# KiCad board BaeRNG_V1.kicad_pcb
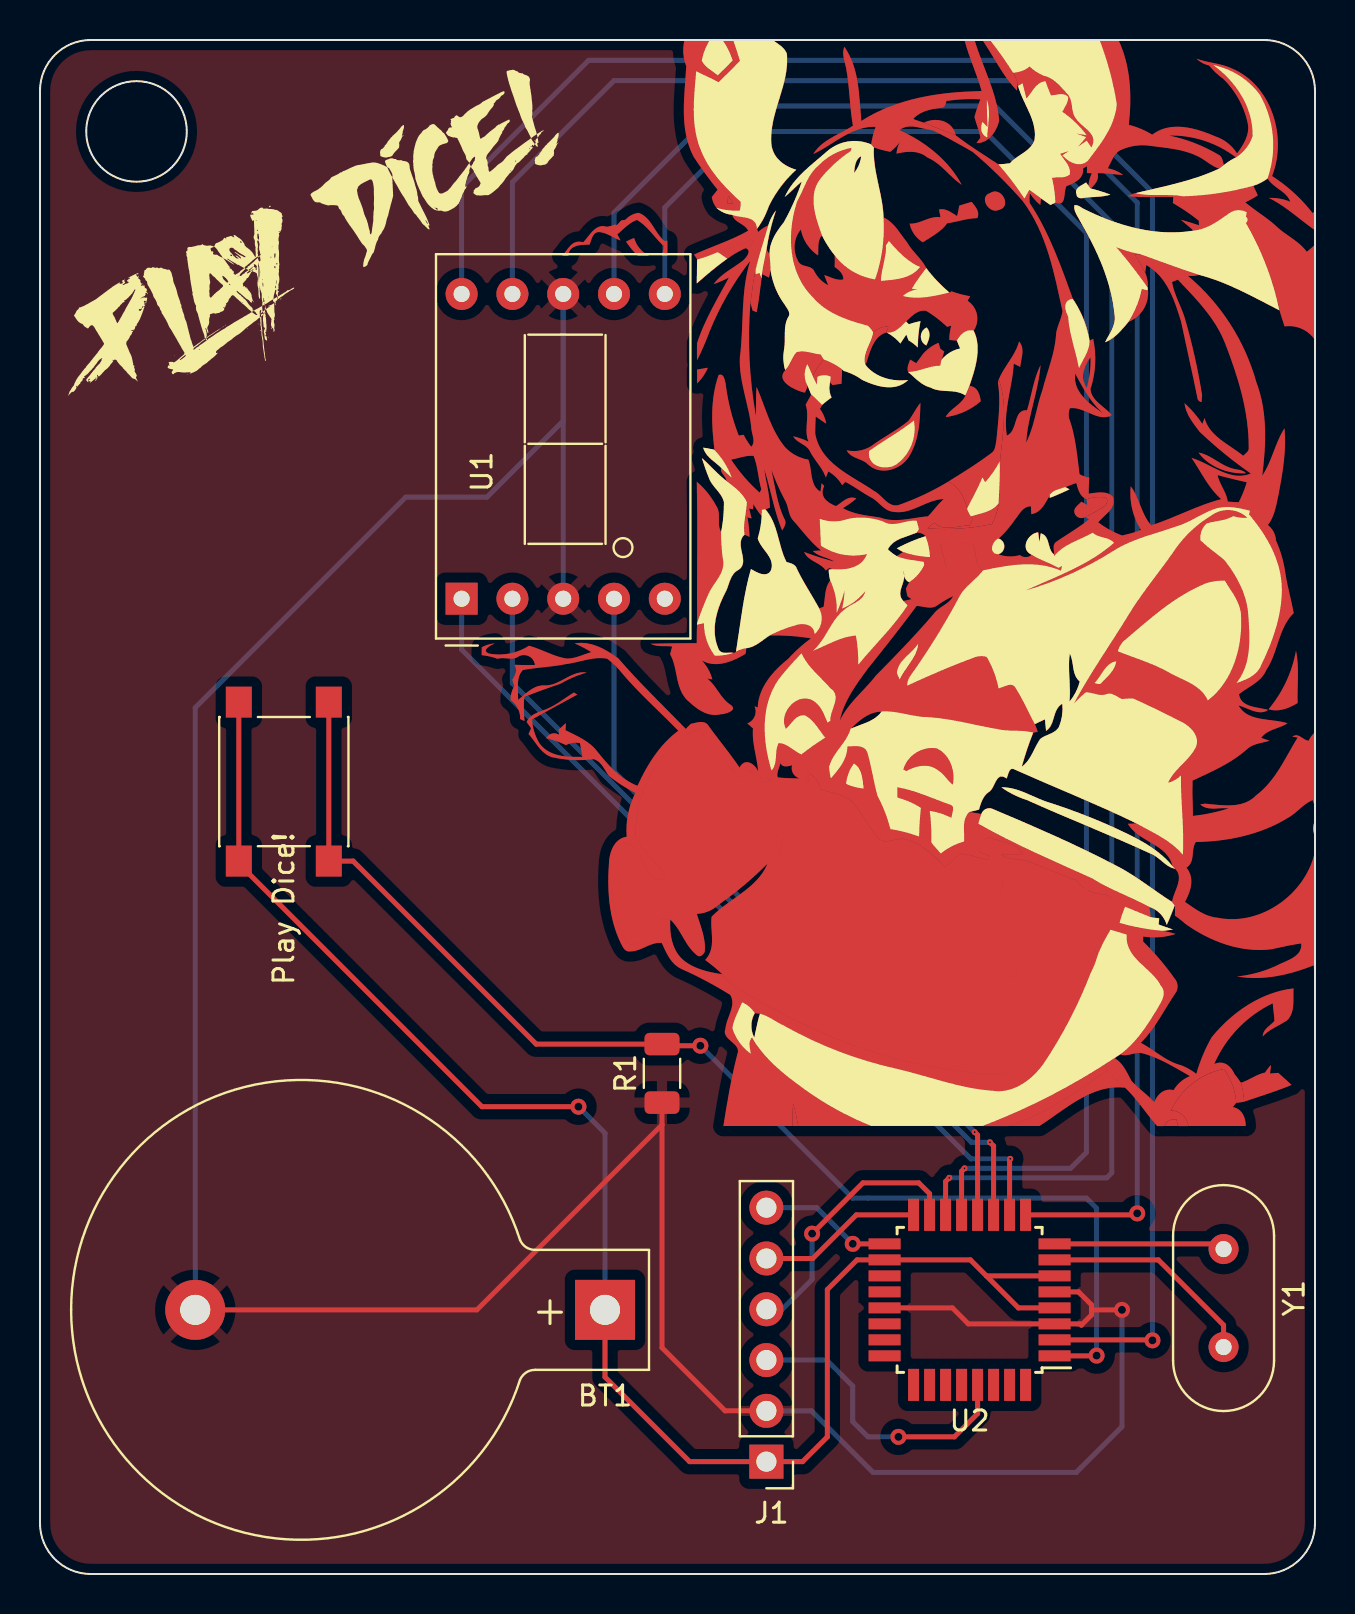
[diagram p0: board, top side]
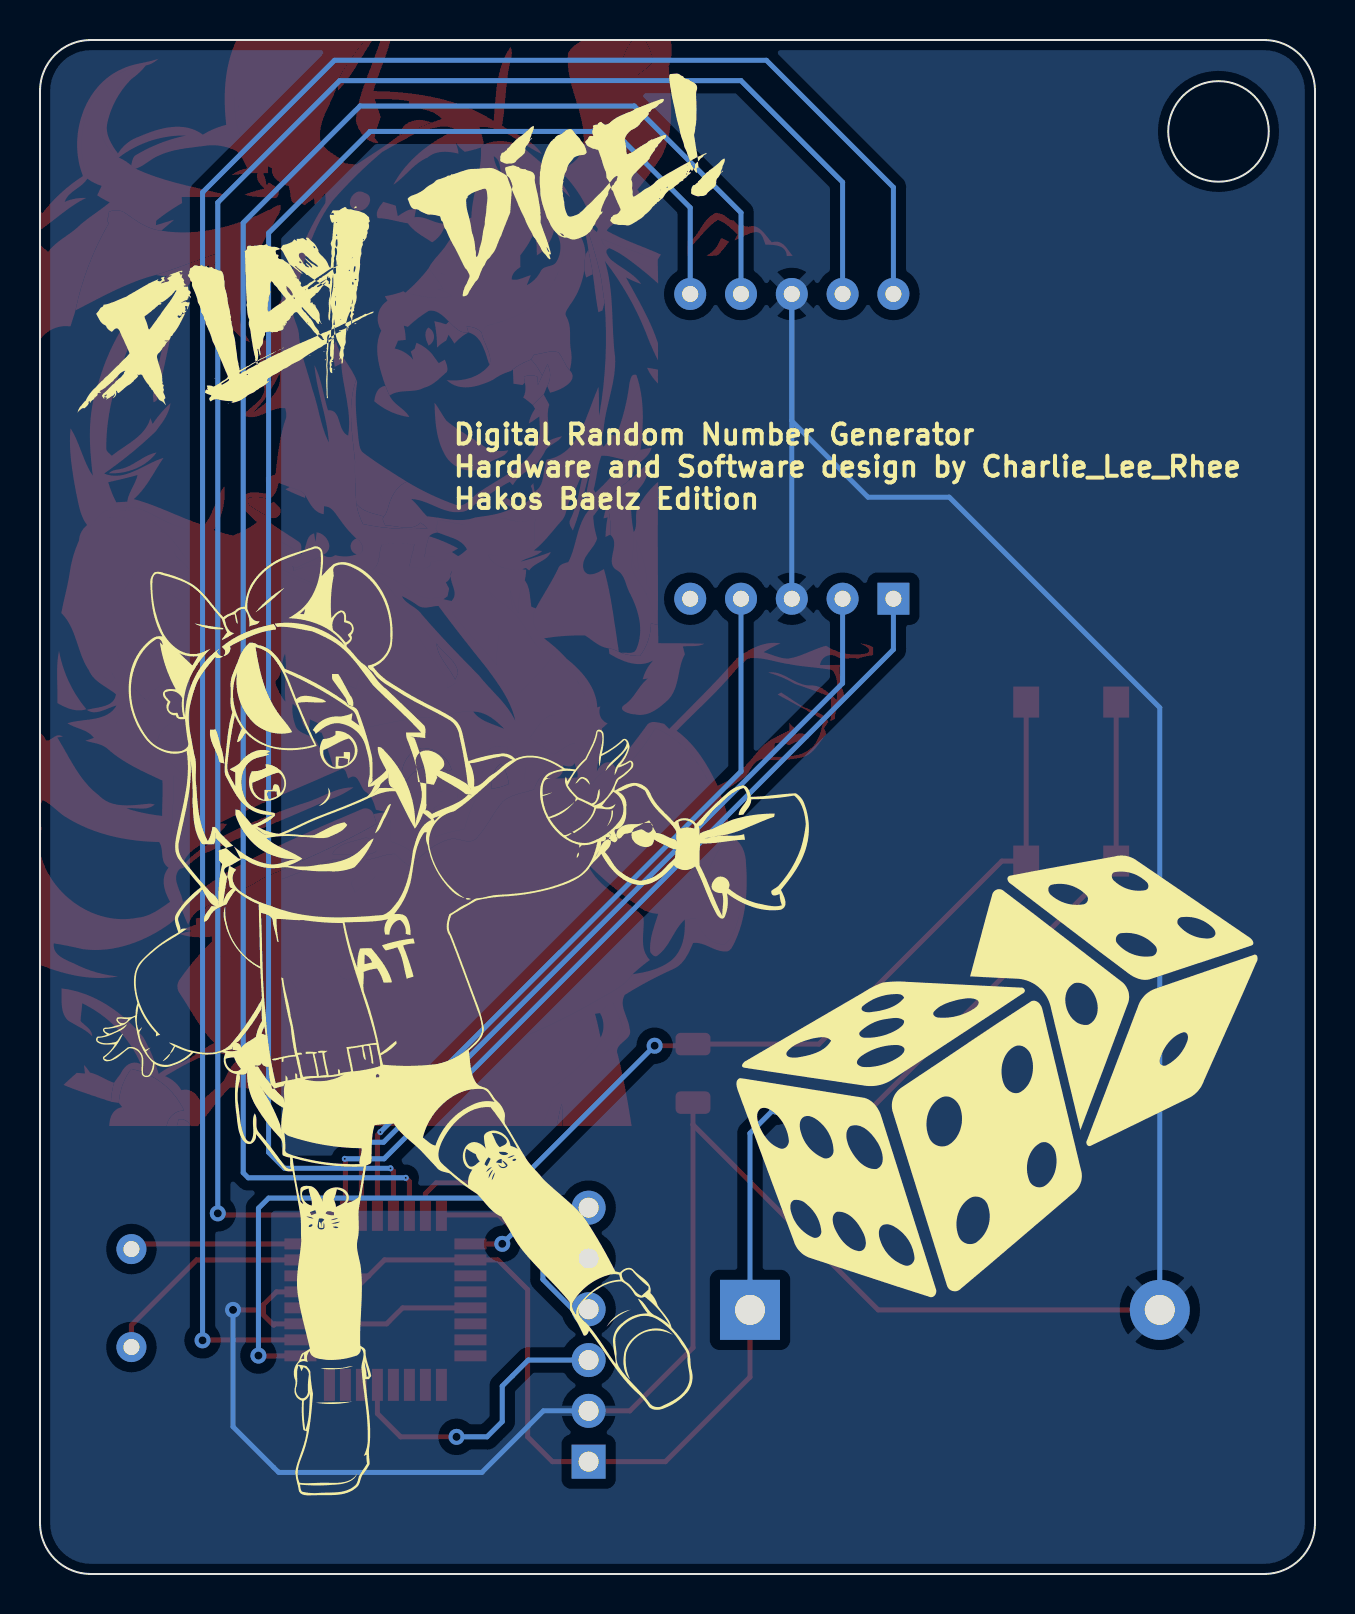
[diagram p1: board, bottom side, seen from below]

Outline 63.75 x 76.71 mm; copper layers: Top, Bottom. Coordinates in mm from the lower left corner of the outline.
Outline path: circle c4.83,72.14 r2.51 ; 0,74.17 arc(0.74,75.96) 2.54,76.71 61.21,76.71 arc(63.01,75.96) 63.75,74.17 63.75,2.54 arc(63.01,0.74) 61.21,0 2.54,0 arc(0.74,0.74) 0,2.54 0,74.17
Stack: Top 0.035mm / dielectric 1.51mm FR4 er 4.5 / Bottom 0.035mm

## Placement (name value [footprint] x y rotation side)
BT1  Battery_Cell  [BatteryHolder_Keystone_103_1x20mm]  28.25 13.21 180 top
J1  Screw_Terminal_01x06  [PinHeader_1x06_P2.54mm_Vertical]  36.32 5.62 180 top
Play Dice!  SW_DIP_x01  [SW_Push_1P1T_NO_6x6mm_H9.5mm]  12.19 39.62 270 top
R1  10k  [R_1206_3216Metric]  31.1 25.04 90 top
U1  D168K  [D1X8K]  21.08 48.77 90 top
U2  ATmega328P-A  [TQFP-32_7x7mm_P0.8mm]  46.48 13.71 180 top
Y1  Crystal  [Crystal_HC18-U_Vertical]  59.18 16.25 270 top

## Footprints (pads in the part's own frame, mm; a bottom-side part is the same pattern mirrored in y, then rotated)
BatteryHolder_Keystone_103_1x20mm
  rect 3x3 hole 1.5: 1(0,0)
  round 3 hole 1.5: 2(20.49,0)
Crystal_HC18-U_Vertical
  round 1.5 hole 0.8: 1(0,0) 2(4.9,0)
D1X8K
  rect 1.6x1.6 hole 0.8: 1(0,0)
  round 1.6 hole 0.8: 2(0,-2.54) 3(0,-5.08) 4(0,-7.62) 5(0,-10.16) 6(15.24,-10.16) 7(15.24,-7.62) 8(15.24,-5.08) 9(15.24,-2.54) 10(15.24,0)
PinHeader_1x06_P2.54mm_Vertical
  rect 1.7x1.7 hole 1: 1(0,0)
  oval 1.7x1.7 hole 1: 2(0,-2.54) 3(0,-5.08) 4(0,-7.62) 5(0,-10.16) 6(0,-12.7)
R_1206_3216Metric
  rrect 1.125x1.75 smd: 1(-1.462,0) 2(1.462,0)
SW_Push_1P1T_NO_6x6mm_H9.5mm
  rect 1.55x1.3 smd: 1(-3.975,2.25) 1(3.975,2.25) 2(-3.975,-2.25) 2(3.975,-2.25)
TQFP-32_7x7mm_P0.8mm
  rect 1.6x0.55 smd: 1(-4.25,2.8) 2(-4.25,2) 3(-4.25,1.2) 4(-4.25,0.4) 5(-4.25,-0.4) 6(-4.25,-1.2) 7(-4.25,-2) 8(-4.25,-2.8) 17(4.25,-2.8) 18(4.25,-2) 19(4.25,-1.2) 20(4.25,-0.4) 21(4.25,0.4) 22(4.25,1.2) 23(4.25,2) 24(4.25,2.8)
  rect 0.55x1.6 smd: 9(-2.8,-4.25) 10(-2,-4.25) 11(-1.2,-4.25) 12(-0.4,-4.25) 13(0.4,-4.25) 14(1.2,-4.25) 15(2,-4.25) 16(2.8,-4.25) 25(2.8,4.25) 26(2,4.25) 27(1.2,4.25) 28(0.4,4.25) 29(-0.4,4.25) 30(-1.2,4.25) 31(-2,4.25) 32(-2.8,4.25)

## Nets
GND: BT1.2 J1.2 R1.1 U1.3 U1.8 U2.3 U2.5 U2.21
Net-(BT1-Pad1): BT1.1 J1.1 Play Dice!.2 U2.4 U2.6 U2.18
Net-(J1-Pad3): J1.3 U2.29
Net-(J1-Pad4): J1.4 U2.15
Net-(J1-Pad5): J1.5 U2.16
Net-(J1-Pad6): J1.6 U2.17
Net-(R1-Pad2): Play Dice!.1 R1.2 U2.1
Net-(U1-Pad1): U1.1 U2.10
Net-(U1-Pad2): U1.2 U2.11
Net-(U1-Pad4): U1.4 U2.12
Net-(U1-Pad6): U1.6 U2.13
Net-(U1-Pad7): U1.7 U2.14
Net-(U1-Pad9): U1.9 U2.9
Net-(U1-Pad10): U1.10 U2.2
Net-(U2-Pad7): U2.7 Y1.2
Net-(U2-Pad8): U2.8 Y1.1

Pads without a net: U1 5; U2 19 20 22 23 24 25 26 27 28 30 31 32

## Via types
v1: diameter 0.8, hole 0.4, Top to Bottom, 9 vias
v2: diameter 0.3, hole 0.1, Top to Bottom, 5 vias

## Routing (per net, layer and track width the routed paths; a pad name or vN(x,y) marks a point on that pad's centre or on a via; arc(x,y) is an arc through that point)
GND: length 162.9
  Top w0.25: 52.58,13.21 52.58,12.95 52.07,12.45 52.01,12.51 U2.3 46.42,12.51 45.62,13.31 U2.21 ; 52.58,13.21 52.58,13.46 51.93,14.11 U2.5 ; 52.58,13.21 v1(54.1,13.21) ; 31.1,22.47 31.1,11.32 34.26,8.16 J1.2 ; 31.1,22.47 R1.1 ; 31.1,22.47 21.84,13.21 BT1.2
  Bottom w0.25: U1.3 U1.8 26.16,57.66 22.35,53.85 18.29,53.85 7.76,43.32 BT1.2 ; J1.2 38.58,8.16 41.66,5.08 51.82,5.08 54.1,7.37 v1(54.1,13.21)
Net-(BT1-Pad1): length 81.3
  Top w0.25: 9.94,43.6 Play Dice!.2 9.94,35.52 22.1,23.37 v1(26.92,23.37) ; 47.32,14.91 U2.6 ; 47.32,14.91 48.92,13.31 U2.4 ; 47.32,14.91 46.52,15.71 U2.18 40.85,15.71 39.37,14.22 39.37,6.86 38.13,5.62 J1.1 32.48,5.62 28.25,9.85 BT1.1
  Bottom w0.25: v1(26.92,23.37) 28.25,22.04 BT1.1
Net-(J1-Pad3): length 15.1
  Top w0.25: U2.29 46.88,8.02 45.72,6.86 v1(42.93,6.86)
  Bottom w0.25: v1(42.93,6.86) 41.4,6.86 40.64,7.62 40.64,9.4 39.34,10.7 J1.3
Net-(J1-Pad4): length 13.4
  Top w0.25: U2.15 44.48,19.02 43.94,19.56 41.15,19.56 v1(38.61,17.02)
  Bottom w0.25: J1.4 37.11,13.24 38.61,14.73 v1(38.61,17.02)
Net-(J1-Pad5): length 8.3
  Top w0.25: U2.16 40.82,17.96 38.64,15.78 J1.5
Net-(J1-Pad6): length 6.7
  Top w0.25: U2.17 40.64,16.51 v1(40.64,16.51)
  Bottom w0.25: v1(40.64,16.51) 38.83,18.32 J1.6
Net-(R1-Pad2): length 63
  Top w0.25: v1(52.83,10.92) 52.82,10.91 U2.1 ; v1(33.02,26.42) 31.18,26.42 R1.2 24.81,26.5 15.66,35.65 Play Dice!.1 14.44,43.6
  Bottom w0.25: v1(33.02,26.42) 40.64,18.8 52.32,18.8 52.83,18.29 v1(52.83,10.92)
Net-(U1-Pad1): length 43.3
  Top w0.25: v2(48.51,20.76) 48.48,20.73 U2.10
  Bottom w0.25: U1.1 21.08,46.23 46.55,20.76 v2(48.51,20.76)
Net-(U1-Pad2): length 41.3
  Top w0.25: U2.11 47.68,21.41 v2(47.5,21.59)
  Bottom w0.25: v2(47.5,21.59) 46.57,21.59 23.62,44.54 U1.2
Net-(U1-Pad4): length 38.3
  Top w0.25: U2.12 46.88,21.95 v2(46.74,22.1)
  Bottom w0.25: v2(46.74,22.1) 28.7,40.13 U1.4
Net-(U1-Pad6): length 83.9
  Top w0.25: U2.13 46.08,20.14 v2(46.23,20.29)
  Bottom w0.25: U1.6 31.24,68.33 35.05,72.14 47.24,72.14 52.32,67.06 52.32,21.08 51.53,20.29 v2(46.23,20.29)
Net-(U1-Pad7): length 91.2
  Top w0.25: U2.14 45.28,19.63 v2(45.47,19.81)
  Bottom w0.25: v2(45.47,19.81) 53.34,19.81 53.59,20.07 53.59,67.56 47.75,73.41 34.04,73.41 28.7,68.07 U1.7
Net-(U1-Pad9): length 97.6
  Top w0.25: U2.9 54.79,17.96 v1(54.86,18.03)
  Bottom w0.25: U1.9 23.62,69.6 28.7,74.68 48.77,74.68 54.86,68.58 v1(54.86,18.03)
Net-(U1-Pad10): length 107.6
  Top w0.25: v1(55.63,11.68) 55.6,11.71 U2.2
  Bottom w0.25: v1(55.63,11.68) 55.63,69.09 49.02,75.69 27.43,75.69 21.08,69.34 U1.10
Net-(U2-Pad7): length 10.9
  Top w0.25: Y1.2 59.18,12.45 55.92,15.71 U2.7
Net-(U2-Pad8): length 8.6
  Top w0.25: Y1.1 58.92,16.51 U2.8

## Copper pours and planes (outline as drawn; the poured copper is in the pictures)
GND on Top: 67.31,85.85 66.55,-1.78 66.55,-2.03 -13.21,-6.35 -22.86,89.41
GND on Bottom: 72.9,84.58 70.36,-1.78 -13.97,-4.83 -9.65,88.14

Small or netless copper shapes (teardrops, artwork), in the pictures only: 46 on Top

## Text on the board
B.Silkscreen: Digital Random Number Generator / Hardware and Software design by Charlie_Lee_Rhee / Hakos Baelz Edition
